# KiCad board aetimemaster.kicad_pcb
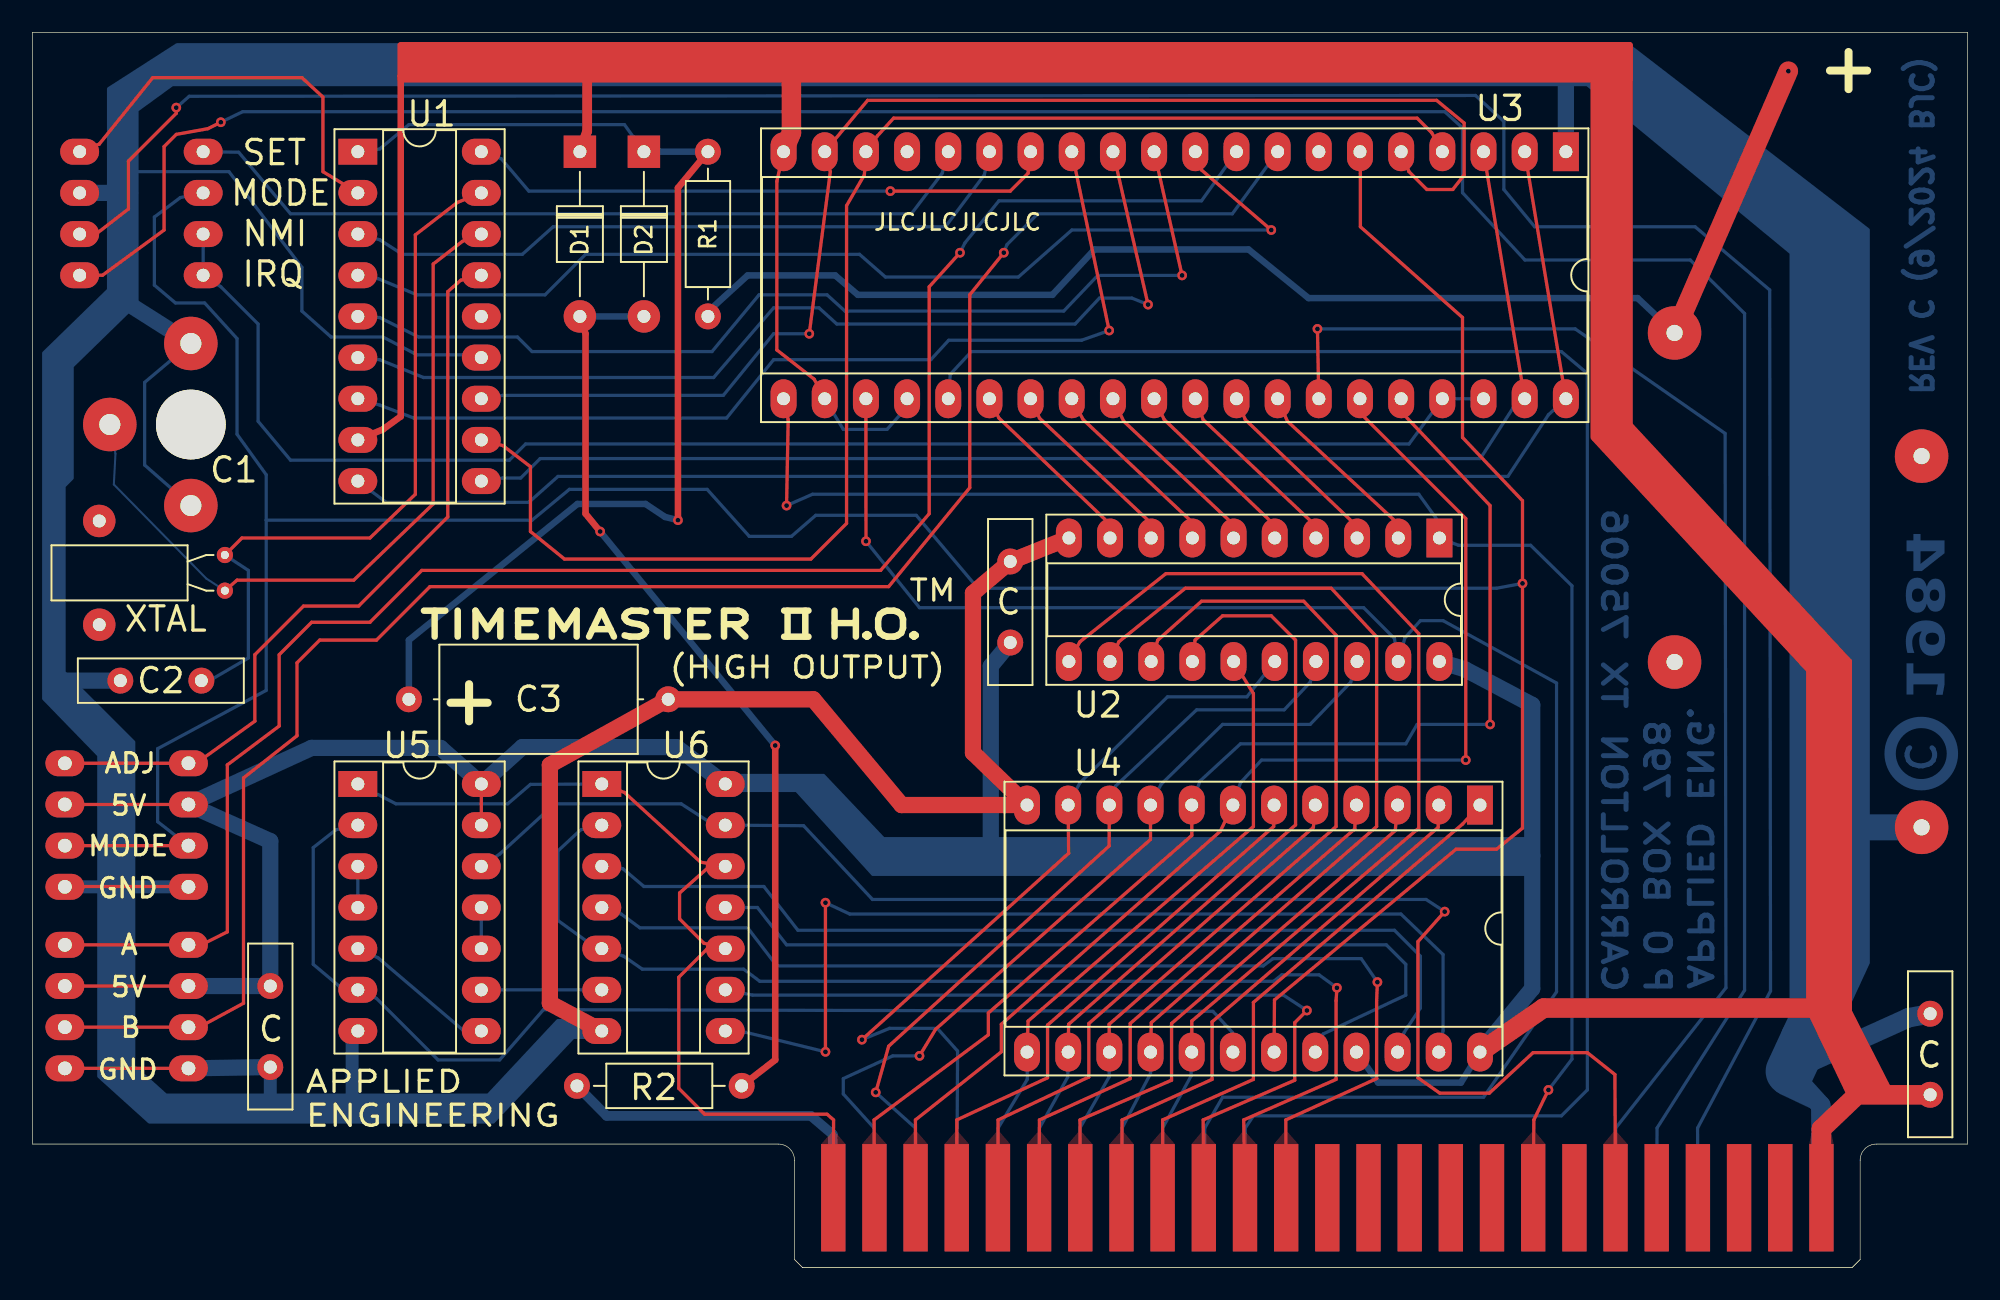
[diagram p0: board, top side]
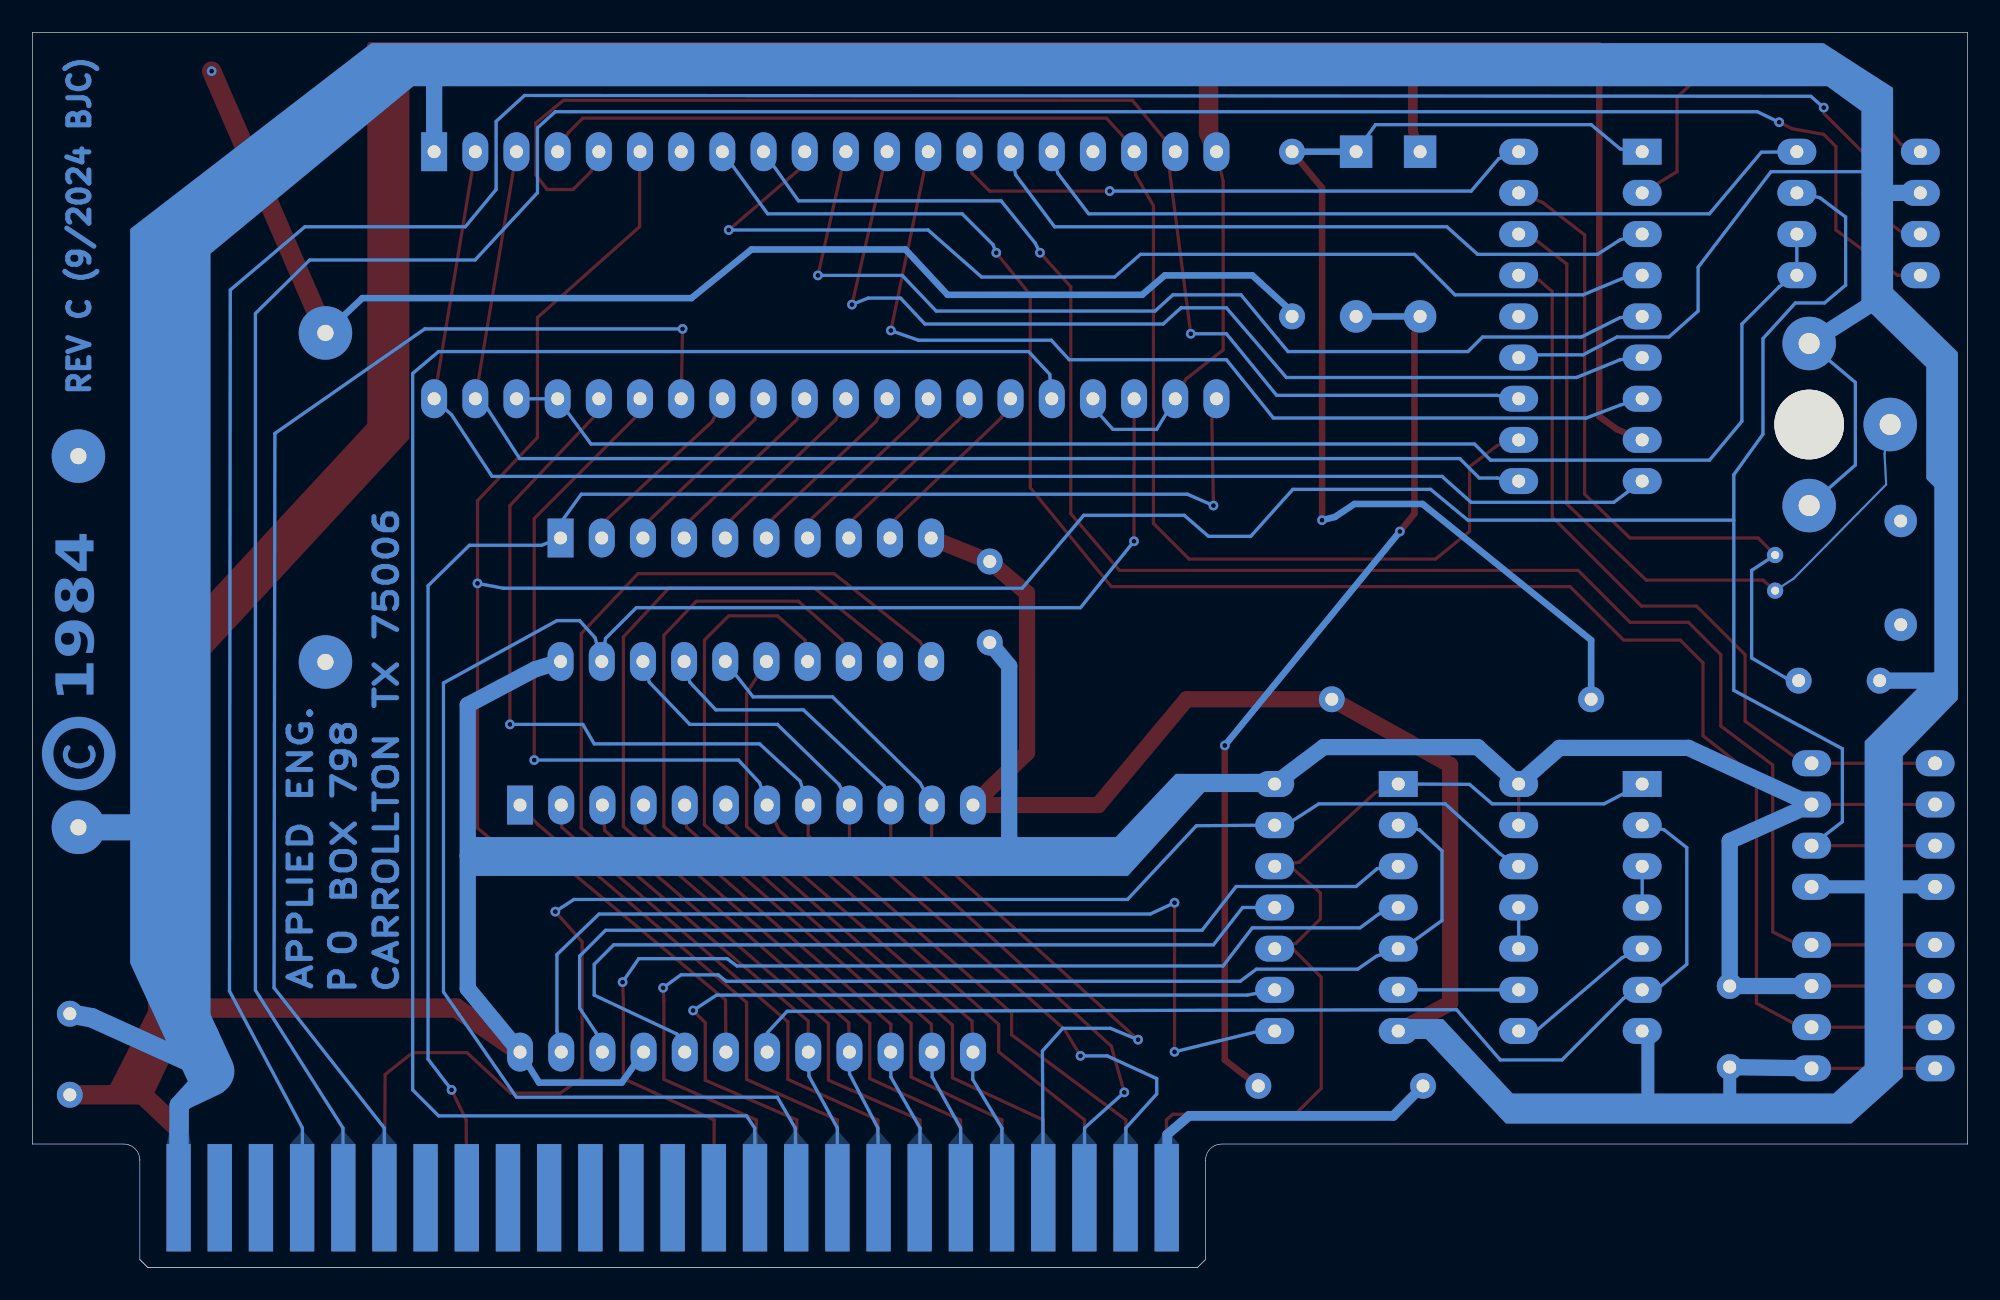
[diagram p1: board, bottom side, seen from below]

Outline 119.38 x 76.2 mm; copper layers: Front, In1.Cu, In2.Cu, Back. Coordinates in mm from the lower left corner of the outline.
Outline path: 47.01,0.5 47.01,6.62 arc(46.72,7.33) 46.01,7.62 0,7.62 0,76.2 119.38,76.2 119.38,7.62 113.75,7.62 arc(113.05,7.33) 112.75,6.62 112.75,0.5
Stack: Front 0.035mm / dielectric 0.4801mm FR4 er 4.5 / In1.Cu 0.035mm / dielectric 0.4801mm FR4 er 4.5 / In2.Cu 0.035mm / dielectric 0.4801mm FR4 er 4.5 / Back 0.035mm

## Placement (name value [footprint] x y rotation side)
C  0.22uF  [C_Disc_D10.0mm_W2.5mm_P5.00mm]  117.07 10.66 90 top
C1  C_Variable  [Trimmer Cap]  7.27 52.01 0 top
C2  10J  [C_Disc_D10.0mm_W2.5mm_P5.00mm]  10.42 36.21 180 top
C3  10uF 18V  [C_Axial]  23.72 35.06 0 top
C#2  0.22uF  [C_Disc_D10.0mm_W2.5mm_P5.00mm]  60.32 43.56 270 top
C#3  0.22uF  [C_Disc_D10.0mm_W2.5mm_P5.00mm]  14.67 17.37 270 top
D1  1N4148  [Diode]  33.77 68.84 270 top
D2  1N4148  [Diode]  37.72 68.84 270 top
J1  Conn_01x08  [HDR-4_Pin]  5.92 21.71 0 top
R1  220 Ohm  [R_Axial]  41.67 68.84 270 top
R2  750 Ohm  [R_Axial]  33.59 11.21 0 top
SW1  SW_DIP_x04  [DIP-4_Switch]  10.53 68.84 0 top
U1  MSM5832  [DIP-18_W7.62mm_Socket_LongPads]  20.07 68.84 0 top
U2  74LS245  [DIP-20_W7.62mm_Socket_LongPads]  86.8 45.01 270 top
U3  HD6821  [DIP-40_W15.24mm_Socket_LongPads]  94.6 68.84 270 top
U4  HM6116P  [DIP-24_W15.24mm_Socket_LongPads]  89.3 28.53 270 top
U5  74LS00  [DIP-14_W7.62mm_Socket_LongPads]  20.07 29.84 0 top
U6  74LS08  [DIP-14_W7.62mm_Socket_LongPads]  35.12 29.84 0 top
U7  Edge Connector  [EDGE_50]  79.88 4.31 0 top
U8  Battery  [Varta Battery]  107.58 43.92 0 top
XTAL  -  [Crystal]  11.87 43.81 270 top

## Library data of the parts
C C#2 C#3 = -: Description: Unpolarized capacitor, small symbol; MfrPartNo: C323C224J2R5TA; ki_fp_filters: C_*
C1 = -: Description: Variable capacitor; MfrPartNo: BFC280831409
C2 = -: Description: Unpolarized capacitor, small symbol; MfrPartNo: C317C100J5G5TA; ki_fp_filters: C_*
C3 = -: Description: Polarized capacitor, small symbol; MfrPartNo: 106TTA100M; ki_fp_filters: CP_*
D1 D2 = -: Datasheet: https://assets.nexperia.com/documents/data-sheet/1N4148_1N4448.pdf; Description: 100V 0.15A standard switching diode, DO-35; Sim.Device: D; Sim.Pins: 1=K 2=A; MfrPartNo: 1N4148-T50A; ki_fp_filters: D*DO?35*
J1 = -: Description: Generic connector, single row, 01x08, script generated (kicad-library-utils/schlib/autogen/connector/); MfrPartNo: PH1RA-04-UA (2x); ki_fp_filters: Connector*:*_1x??_*
R1 = -: Description: Resistor, small US symbol; MfrPartNo: FMP100JR-52-220R; ki_fp_filters: R_*
R2 = -: Description: Resistor, small US symbol; MfrPartNo: FMP100JR-52-750R; ki_fp_filters: R_*
SW1 = -: Description: 4x DIP Switch, Single Pole Single Throw (SPST) switch, small symbol; MfrPartNo: 76SB04T; ki_fp_filters: SW?DIP?x4*
U1 = -: MfrPartNo: DILB18P-223TLF
U2 = -: Datasheet: http://www.ti.com/lit/gpn/sn74LS245; Description: Octal BUS Transceivers, 3-State outputs; MfrPartNo: DILB20P-223TLF; ki_fp_filters: DIP?20*
U3 = -: MfrPartNo: DILB40P-223TLF
U4 = -: MfrPartNo: DILB24P-223TLF
U5 = -: Datasheet: http://www.ti.com/lit/gpn/sn74ls00; Description: quad 2-input NAND gate; MfrPartNo: DILB14P-223TLF; ki_fp_filters: DIP*W7.62mm* SO14*
U6 = -: Datasheet: http://www.ti.com/lit/gpn/sn74LS08; Description: Quad And2; MfrPartNo: DILB14P-223TLF; ki_fp_filters: DIP*W7.62mm*
U8 = -: MfrPartNo: 55615-703-012
XTAL = -: Description: Two pin crystal; MfrPartNo: 32.768K12.5P2/DT38; ki_fp_filters: Crystal*

## Footprints (pads in the part's own frame, mm; a bottom-side part is the same pattern mirrored in y, then rotated)
C_Axial
  round 1.6 hole 0.8: 1(-0.5,0)
  oval 1.6x1.6 hole 0.8: 2(15.5,0)
C_Disc_D10.0mm_W2.5mm_P5.00mm
  round 1.6 hole 0.8: 1(0,0) 2(5,0)
Crystal
  round 2 hole 0.8: (-2.25,-7.75) (4.15,-7.75)
  round 1 hole 0.5: 1(-0.15,0) 2(2.05,0)
Diode
  rect 2x2 hole 0.8: 1(0,0)
  oval 2x2 hole 0.8: 2(10.16,0)
DIP-4_Switch
  oval 2.4x1.6 hole 0.8: 1(0,0) 2(0,-2.54) 3(0,-5.08) 4(0,-7.62) 5(-7.62,-7.62) 6(-7.62,-5.08) 7(-7.62,-2.54) 8(-7.62,0)
DIP-14_W7.62mm_Socket_LongPads
  rect 2.4x1.6 hole 0.8: 1(0,0)
  oval 2.4x1.6 hole 0.8: 2(0,-2.54) 3(0,-5.08) 4(0,-7.62) 5(0,-10.16) 6(0,-12.7) 7(0,-15.24) 8(7.62,-15.24) 9(7.62,-12.7) 10(7.62,-10.16) 11(7.62,-7.62) 12(7.62,-5.08) 13(7.62,-2.54) 14(7.62,0)
DIP-18_W7.62mm_Socket_LongPads
  rect 2.4x1.6 hole 0.8: 1(0,0)
  oval 2.4x1.6 hole 0.8: 2(0,-2.54) 3(0,-5.08) 4(0,-7.62) 5(0,-10.16) 6(0,-12.7) 7(0,-15.24) 8(0,-17.78) 9(0,-20.32) 10(7.62,-20.32) 11(7.62,-17.78) 12(7.62,-15.24) 13(7.62,-12.7) 14(7.62,-10.16) 15(7.62,-7.62) 16(7.62,-5.08) 17(7.62,-2.54) 18(7.62,0)
DIP-20_W7.62mm_Socket_LongPads
  rect 2.4x1.6 hole 0.8: 1(0,0)
  oval 2.4x1.6 hole 0.8: 2(0,-2.54) 3(0,-5.08) 4(0,-7.62) 5(0,-10.16) 6(0,-12.7) 7(0,-15.24) 8(0,-17.78) 9(0,-20.32) 10(0,-22.86) 11(7.62,-22.86) 12(7.62,-20.32) 13(7.62,-17.78) 14(7.62,-15.24) 15(7.62,-12.7) 16(7.62,-10.16) 17(7.62,-7.62) 18(7.62,-5.08) 19(7.62,-2.54) 20(7.62,0)
DIP-24_W15.24mm_Socket_LongPads
  rect 2.4x1.6 hole 0.8: 1(0,0)
  oval 2.4x1.6 hole 0.8: 2(0,-2.54) 3(0,-5.08) 4(0,-7.62) 5(0,-10.16) 6(0,-12.7) 7(0,-15.24) 8(0,-17.78) 9(0,-20.32) 10(0,-22.86) 11(0,-25.4) 12(0,-27.94) 13(15.24,-27.94) 14(15.24,-25.4) 15(15.24,-22.86) 16(15.24,-20.32) 17(15.24,-17.78) 18(15.24,-15.24) 19(15.24,-12.7) 20(15.24,-10.16) 21(15.24,-7.62) 22(15.24,-5.08) 23(15.24,-2.54) 24(15.24,0)
DIP-40_W15.24mm_Socket_LongPads
  rect 2.4x1.6 hole 0.8: 1(0,0)
  oval 2.4x1.6 hole 0.8: 2(0,-2.54) 3(0,-5.08) 4(0,-7.62) 5(0,-10.16) 6(0,-12.7) 7(0,-15.24) 8(0,-17.78) 9(0,-20.32) 10(0,-22.86) 11(0,-25.4) 12(0,-27.94) 13(0,-30.48) 14(0,-33.02) 15(0,-35.56) 16(0,-38.1) 17(0,-40.64) 18(0,-43.18) 19(0,-45.72) 20(0,-48.26) 21(15.24,-48.26) 22(15.24,-45.72) 23(15.24,-43.18) 24(15.24,-40.64) 25(15.24,-38.1) 26(15.24,-35.56) 27(15.24,-33.02) 28(15.24,-30.48) 29(15.24,-27.94) 30(15.24,-25.4) 31(15.24,-22.86) 32(15.24,-20.32) 33(15.24,-17.78) 34(15.24,-15.24) 35(15.24,-12.7) 36(15.24,-10.16) 37(15.24,-7.62) 38(15.24,-5.08) 39(15.24,-2.54) 40(15.24,0)
EDGE_50
  rect 1.5x6.62 smd: 1(-30.48,0) 2(-27.94,0) 3(-25.4,0) 4(-22.86,0) 5(-20.32,0) 6(-17.78,0) 7(-15.24,0) 8(-12.7,0) 9(-10.16,0) 10(-7.62,0) 11(-5.08,0) 12(-2.54,0) 13(0,0) 14(2.54,0) 15(5.08,0) 16(7.62,0) 17(10.16,0) 18(12.7,0) 19(15.24,0) 20(17.78,0) 21(20.32,0) 22(22.86,0) 23(25.4,0) 24(27.94,0) 25(30.48,0)
  rect 1.5x6.62 smd far side: 26(30.48,0) 27(27.94,0) 28(25.4,0) 29(22.86,0) 30(20.32,0) 31(17.78,0) 32(15.24,0) 33(12.7,0) 34(10.16,0) 35(7.62,0) 36(5.08,0) 37(2.54,0) 38(0,0) 39(-2.54,0) 40(-5.08,0) 41(-7.62,0) 42(-10.16,0) 43(-12.7,0) 44(-15.24,0) 45(-17.78,0) 46(-20.32,0) 47(-22.86,0) 48(-25.4,0) 49(-27.94,0) 50(-30.48,0)
HDR-4_Pin
  oval 2.4x1.6 hole 0.85: 1(-3.92,9.4) 1(3.7,9.4) 2(-3.92,6.86) 2(3.7,6.86) 3(-3.92,4.32) 3(3.7,4.32) 4(-3.92,1.78) 4(3.7,1.78) 5(-3.92,-1.8) 5(3.7,-1.8) 6(-3.92,-4.34) 6(3.7,-4.34) 7(-3.92,-6.88) 7(3.7,-6.88) 8(-3.92,-9.42) 8(3.7,-9.42)
R_Axial
  round 1.6 hole 0.8: 1(0,0)
  oval 1.6x1.6 hole 0.8: 2(10.16,0)
Trimmer Cap
  round 4.3 hole 4.3 unplated: (2.5,0)
  round 3.3 hole 1.3: 1(2.5,5) 1(2.5,-5) 2(-2.5,0)
Varta Battery
  round 3.3 hole 1: 1(8.96,-16.76) 2(-6.28,13.74) 3(8.96,6.14) 4(-6.28,-6.56)

## Nets
+5V: C.1 C#2.2 C#3.1 D1.1 J1.2 J1.6 U1.8 U2.20 U3.20 U3.22 U3.24 U4.21 U4.24 U5.13 U5.14 U6.14 U7.25
GND: C.2 C1.1 C2.2 C3.2 C#2.1 C#3.2 J1.4 J1.8 SW1.7 U1.13 U2.10 U3.1 U4.12 U5.7 U6.7 U7.26 U8.1
/NMI: SW1.3 SW1.4 U3.37 U3.38
Net-(D1-A): D1.2 D2.2 R2.2
Net-(D2-K): C3.1 D2.1 R1.1 U1.1
Net-(J1-Pin_1): J1.1 U1.15
Net-(J1-Pin_3): J1.3 SW1.2 U3.6 U4.19
Net-(J1-Pin_5): J1.5 U3.9
Net-(J1-Pin_7): J1.7 U3.8
Net-(U1-A0): U1.4 U3.10
Net-(U1-A1): U1.5 U3.11
Net-(U1-A2): U1.6 U3.12
Net-(U1-A3): U1.7 U3.13
Net-(U1-D0): U1.9 U3.2 U3.40
Net-(U1-D1): U1.10 U3.3 U3.39
Net-(U1-D2): U1.11 U3.4 U3.18
Net-(U1-D3): U1.12 U3.5 U3.19
Net-(U1-HOLD): U1.18 U3.14
Net-(U1-READ): U1.3 U3.15
Net-(U1-WRITE): SW1.8 U1.2
Net-(U1-XT): C1.2 U1.16 XTAL.2
Net-(U1-~{XT}): C2.1 U1.17 XTAL.1
Net-(U2-A0): U2.2 U3.33
Net-(U2-A1): U2.3 U3.32
Net-(U2-A2): U2.4 U3.31
Net-(U2-A3): U2.5 U3.30
Net-(U2-A4): U2.6 U3.29
Net-(U2-A5): U2.7 U3.28
Net-(U2-A6): U2.8 U3.27
Net-(U2-A7): U2.9 U3.26
Net-(U2-A->B): U2.1 U3.21 U7.18
Net-(U2-B0): U2.18 U4.9 U7.49
Net-(U2-B1): U2.17 U4.10 U7.48
Net-(U2-B2): U2.16 U4.11 U7.47
Net-(U2-B3): U2.15 U4.13 U7.46
Net-(U2-B4): U2.14 U4.14 U7.45
Net-(U2-B5): U2.13 U4.15 U7.44
Net-(U2-B6): U2.12 U4.16 U7.43
Net-(U2-B7): U2.11 U4.17 U7.42
Net-(U2-CE): U2.19 U3.23 U7.41
Net-(U3-E): U3.25 U7.40
Net-(U3-PB6): SW1.1 U3.16
Net-(U3-RS0): U3.36 U4.8 U7.2
Net-(U3-RS1): U3.35 U4.7 U7.3
Net-(U3-~{RES}): U3.34 U7.31
Net-(U4-A2): U4.6 U7.4
Net-(U4-A3): U4.5 U7.5
Net-(U4-A4): U4.4 U7.6
Net-(U4-A5): U4.3 U7.7
Net-(U4-A6): U4.2 U7.8
Net-(U4-A7): U4.1 U7.9
Net-(U4-A8): U4.23 U6.8
Net-(U4-A9): U4.22 U6.3
Net-(U4-CS): U4.18 U5.2 U5.6
Net-(U4-OE): U4.20 U6.11
Net-(U5-Pad3): U5.3 U5.4
Net-(U5-Pad5): U5.5 U5.8
Net-(U5-Pad9): U5.9 U6.6
Net-(U5-Pad10): U5.10 U5.11
Net-(U7-+12V): R2.1 U7.50
Net-(U7-A8): U6.9 U7.10
Net-(U7-A9): U6.2 U6.5 U7.11
Net-(U7-A10): U6.4 U7.12
Net-(U7-~{I/O_SELECT}): U5.1 U6.1 U6.10 U6.12 U7.1
Net-(U7-~{I/O_STROBE}): U5.12 U6.13 U7.20
Net-(U7-~{IRQ}): SW1.5 U7.30
Net-(U7-~{NMI}): SW1.6 U7.29
Net-(U8-+3.6V): R1.2 U8.2

Pads without a net: U1 14; U3 7 17; U7 13 14 15 16 17 19 21 22 23 24 27 28 32 33 34 35 36 37 38 39; U8 3 4

## Via types
v1: diameter 0.6, hole 0.3, Front to Back, 30 vias

## Routing (per net, layer and track width the routed paths; a pad name or vN(x,y) marks a point on that pad's centre or on a via; arc(x,y) is an arc through that point)
+5V: length 413.1
  Front w0.2: 46.34,68.84 45.92,67.01 45.92,56.61 48.22,54.81 U3.22 ; J1.6 J1.6 ; J1.2 J1.2 ; U5.14 U5.13
  Front w0.4: U1.8 21.62,51.71 22.72,52.51 22.72,73.51 23.22,74.01
  Front w0.6: 34.22,74.01 34.22,70.11 D1.1
  Front w1.2: U4.24 93.22,16.01 110.02,16.01 ; 110.02,16.01 110.02,37.91 97.22,51.41 97.22,74.01 46.82,74.01 ; 110.02,16.01 112.57,10.66 ; 112.57,10.66 C.1 ; 112.57,10.66 110.36,8.55 U7.25 ; 46.82,74.01 23.22,74.01 ; 46.82,74.01 46.82,70.01 46.34,68.84
  Back w0.2: U3.22 50.02,51.71 52.72,51.71 53.52,52.61 U3.24
  Back w0.4: U4.24 88.12,11.41 83.02,11.41 U4.21
  Back w1: 92.52,25.41 92.52,17.21 U4.24 ; 92.52,25.41 59.12,25.41 ; 92.52,25.41 92.52,34.71 88.37,36.91 U2.20 ; 59.12,25.41 59.12,37.11 C#2.2 ; 59.12,25.41 52.27,25.41 48.02,29.84 U6.14 39.72,32.11 30.22,32.11 U5.14 25.17,32.06 17.22,32.06 J1.2 14.67,26.31 14.67,17.11 ; C#3.1 J1.6
GND: length 465.3
  Front w0.2: 8.82,23.51 2.82,23.51 ; J1.8 J1.8
  Front w1: U2.10 C#2.1 58.02,41.61 58.02,31.76 U4.12 53.62,28.53 48.17,35.06 C3.2 31.92,31.01 31.92,16.31 35.12,14.59
  Back w0.127: 109.34,14.09 111.42,19.31 111.42,27.16
  Back w0.2: C1.1 6.92,54.61 6.92,49.51 C1.1 ; U1.13 26.82,56.31 23.72,56.31 21.62,57.41 18.42,57.41 16.62,59.01 16.62,61.71 12.12,67.61 6.02,67.61 6.02,66.3
  Back w0.6: 5.32,31.81 1.3,36.21 ; 5.52,59.71 1.3,55.71 1.3,48.91 1.1,48.41 1.1,36.01
  Back w0.8: C#3.2 14.67,9.81 19.72,9.81 19.72,13.91 20.07,14.59 ; J1.4 J1.4
  Back w1: C#3.2 J1.8 ; SW1.7 6.02,66.3 ; C1.1 5.52,59.71 ; U3.1 94.6,73.61 ; 5.32,31.81 5.32,12.21 7.62,9.91 28.32,9.91 32.82,14.61 35.12,14.59 ; C2.2 1.3,36.21
  Back w1.2: U7.26 110.32,10.01 108.42,12.11 115.72,15.41 C.2
  Back w1.6: 10.12,74.21 8.42,74.11 5.52,72.11 5.52,59.71 ; U8.1 111.42,27.16
  Back w2: 10.12,74.21 96.62,74.21 97.72,73.61
  Back w3: 108.42,12.11 110.92,17.51 110.92,62.81 97.72,73.61
/NMI: length 91.6
  Back w0.2: SW1.3 SW1.4 11.62,60.51 13.92,58.21 13.92,52.21 15.92,49.81 29.42,49.81 30.42,50.81 84.92,50.81 U3.37 U3.38
Net-(D1-A): length 56.7
  Front w0.4: v1(35.02,45.41) 34.12,46.51 34.12,57.61 D1.2 ; v1(45.82,32.21) 45.82,12.81 R2.2
  Back w0.4: v1(35.02,45.41) v1(45.82,32.21) ; D1.2 D2.2
Net-(D2-K): length 69.9
  Front w0.4: v1(39.82,46.11) 39.82,66.61 R1.1
  Back w0.2: U1.1 21.42,69.01 23.22,70.51 36.52,70.51 D2.1
  Back w0.4: v1(39.82,46.11) 39.02,46.31 37.82,47.11 33.62,47.11 23.22,38.71 C3.1 ; R1.1 D2.1
Net-(J1-Pin_1): length 48.3
  Front w0.2: U1.15 26.42,60.91 25.62,60.21 25.62,46.31 20.12,40.81 16.72,40.81 13.72,37.81 13.72,33.71 10.52,31.41 J1.1 J1.1
Net-(J1-Pin_3): length 209
  Front w0.2: J1.3 J1.3 ; U4.19 76.62,16.51 87.82,25.81 90.32,25.81 91.92,27.11 v1(91.92,42.21) 91.92,47.31 88.22,51.21 88.22,58.61 81.92,64.21 81.92,67.51 U3.6
  Back w0.2: SW1.2 9.12,66.01 7.52,64.81 7.52,60.61 8.82,59.51 10.62,59.51 12.62,57.31 12.62,51.41 14.42,48.91 14.42,46.11 ; J1.3 7.72,27.51 7.72,32.01 14.42,35.61 14.42,46.11 ; 14.42,46.11 30.82,46.11 33.12,48.01 41.62,48.01 44.22,45.11 46.82,45.11 48.32,46.41 54.52,46.41 58.32,41.91 90.32,41.91 v1(91.92,42.21)
Net-(J1-Pin_5): length 109.8
  Front w0.2: J1.5 J1.5 10.42,19.91 12.02,20.71 12.02,31.01 15.22,33.41 15.22,37.81 17.22,39.81 20.82,39.81 24.02,43.01 52.32,43.01 55.32,46.51 55.32,60.51 v1(57.22,62.61)
  Back w0.2: v1(57.22,62.61) 57.52,63.21 59.62,65.81 72.12,65.81 U3.9
Net-(J1-Pin_7): length 115.5
  Front w0.2: v1(59.92,62.61) 57.82,60.01 57.82,48.11 52.82,42.01 24.52,42.01 21.22,38.71 17.72,38.71 16.32,37.31 16.32,32.81 13.02,30.21 13.02,16.31 10.62,15.01 J1.7 J1.7
  Back w0.2: v1(59.92,62.61) 60.12,63.11 62.02,65.01 74.02,65.01 U3.8
Net-(U1-A0): length 66.1
  Front w0.2: v1(76.42,64.01) 72.12,67.71 U3.10
  Back w0.2: v1(76.42,64.01) 64.12,64.01 60.82,61.11 52.62,61.11 51.02,62.51 34.12,62.51 31.62,60.01 23.72,60.01 21.32,61.01 U1.4
Net-(U1-A1): length 62.3
  Front w0.2: U3.11 v1(70.92,61.21)
  Back w0.2: U1.5 21.42,58.61 23.82,57.41 29.92,57.41 30.82,56.51 41.92,56.51 44.82,60.01 49.02,60.01 50.12,59.01 63.62,59.01 65.72,61.21 v1(70.92,61.21)
Net-(U1-A2): length 61.8
  Front w0.2: U3.12 v1(68.82,59.41)
  Back w0.2: v1(68.82,59.41) 67.82,59.81 65.82,59.81 64.32,58.21 49.62,58.21 48.52,59.21 45.72,59.21 42.02,54.91 24.12,54.91 21.42,56.01 U1.6
Net-(U1-A3): length 60.2
  Front w0.2: U3.13 v1(66.42,57.81)
  Back w0.2: U1.7 21.42,53.21 23.52,52.41 42.82,52.41 45.72,56.01 55.42,56.01 56.52,57.21 64.72,57.21 v1(66.42,57.81)
Net-(U1-D0): length 93.5
  Front w0.2: U3.2 U3.40
  Back w0.2: U1.9 21.82,47.21 30.62,47.21 32.42,48.81 91.02,48.81 93.52,52.61 U3.40
Net-(U1-D1): length 82.2
  Front w0.2: U3.3 U3.39
  Back w0.2: U1.10 29.02,48.71 30.12,48.71 31.32,49.91 89.32,49.91 91.32,53.01 U3.39
Net-(U1-D2): length 89.4
  Front w0.2: U3.4 86.32,70.01 85.42,70.91 53.12,70.91 52.12,69.81 U3.18 51.32,67.41 50.22,65.51 50.22,45.91 48.02,43.71 32.82,43.71 30.72,45.41 30.72,49.41 29.02,50.71 U1.11
Net-(U1-D3): length 83.7
  Front w0.2: v1(47.92,57.61) 49.22,67.61 U3.19 51.52,72.01 86.62,72.01 88.32,70.61 88.32,67.41 87.62,66.51 86.02,66.51 84.92,67.61 U3.5
  Back w0.2: v1(47.92,57.61) 45.72,57.61 42.62,53.81 29.02,53.81 U1.12
Net-(U1-HOLD): length 36.5
  Front w0.2: v1(52.92,66.41) 60.32,66.41 61.42,67.51 U3.14
  Back w0.2: U1.18 28.92,68.41 30.62,66.41 v1(52.92,66.41)
Net-(U1-READ): length 42.7
  Back w0.2: U3.15 58.72,67.41 56.32,64.21 32.12,64.21 30.22,62.51 22.82,62.51 21.42,63.41 U1.3
Net-(U1-WRITE): length 24.6
  Front w0.2: U1.2 17.92,67.61 17.92,72.21 16.62,73.41 7.42,73.41 4.12,69.31 SW1.8
Net-(U1-XT): length 46.6
  Front w0.2: U1.16 26.52,63.31 24.72,61.91 24.72,47.11 19.82,42.41 12.62,42.41 XTAL.2
  Back w0.127: C1.2 5.12,50.21 5.02,48.31 10.72,42.51 XTAL.2
Net-(U1-~{XT}): length 44.6
  Front w0.2: U1.17 26.21,65.71 23.62,63.71 23.62,47.71 20.82,45.01 12.92,45.01 XTAL.1
  Back w0.2: XTAL.1 13.32,43.01 13.32,37.61 10.92,36.21 C2.1
Net-(U2-A0): length 11.7
  Front w0.2: U3.33 77.42,52.21 84.22,45.91 U2.2
Net-(U2-A1): length 11.6
  Front w0.2: U3.32 74.82,52.31 81.52,45.91 81.72,45.01
Net-(U2-A2): length 11.7
  Front w0.2: U3.31 72.22,52.31 79.22,45.71 U2.4
Net-(U2-A3): length 11.6
  Front w0.2: U3.30 69.82,52.31 76.62,45.81 U2.5
Net-(U2-A4): length 11.7
  Front w0.2: U3.29 67.32,52.21 74.12,45.81 U2.6
Net-(U2-A5): length 11.7
  Front w0.2: U3.28 64.82,52.31 71.62,45.91 71.56,45.01
Net-(U2-A6): length 11.7
  Front w0.2: U2.8 69.02,45.91 62.12,52.41 U3.27
Net-(U2-A7): length 11.6
  Front w0.2: U3.26 59.62,52.41 66.42,45.91 U2.9
Net-(U2-A->B): length 96.6
  Front w0.2: 46.34,53.6 46.62,52.31 v1(46.52,47.01) ; U7.18 92.62,9.11 v1(93.52,10.96)
  Back w0.2: v1(93.52,10.96) 94.97,12.86 94.97,42.06 92.42,44.56 87.97,44.56 U2.1 86.82,45.91 85.52,47.71 48.12,47.71 v1(46.52,47.01)
Net-(U2-B0): length 51.9
  Front w0.2: U4.9 68.97,26.41 55.72,14.71 v1(54.72,13.06)
  Back w0.2: U7.49 51.92,8.61 50.02,10.71 50.02,11.66 53.07,13.06 v1(54.72,13.06) ; U4.9 69.62,29.81 73.42,33.51 78.82,33.51 81.32,36.11 81.72,37.39
Net-(U2-B1): length 48.6
  Front w0.2: v1(52.02,10.81) 52.82,13.66 66.42,26.01 U4.10
  Back w0.2: U4.10 66.82,29.71 71.82,34.41 77.22,34.41 78.82,36.11 U2.17 ; U7.48 54.47,8.61 v1(52.02,10.81)
Net-(U2-B2): length 52.7
  Front w0.2: v1(51.17,14.06) 63.92,25.56 U4.11
  Back w0.2: U4.11 64.62,29.91 70.02,35.21 74.92,35.21 U2.16 ; v1(51.17,14.06) 52.87,14.76 55.82,14.76 57.07,13.36 U7.47
Net-(U2-B3): length 40.3
  Front w0.2: U4.13 61.42,15.21 75.32,27.21 75.32,35.41 U2.15
  Back w0.2: U4.13 61.37,11.61 59.57,8.61 U7.46
Net-(U2-B4): length 49.9
  Front w0.2: U4.14 63.92,15.01 77.92,27.31 77.92,38.71 76.42,40.21 73.42,40.21 71.72,38.71 71.56,37.39
  Back w0.2: U4.14 63.87,11.76 62.12,8.61 U7.45
Net-(U2-B5): length 55.7
  Front w0.2: U4.15 66.42,15.01 80.42,27.21 80.42,39.01 78.42,41.11 72.12,41.11 69.42,38.71 U2.13
  Back w0.2: U7.44 64.62,8.61 66.42,11.76 U4.15
Net-(U2-B6): length 61.1
  Front w0.2: U4.16 69.02,15.11 82.92,27.21 82.92,38.91 80.12,41.91 71.12,41.91 67.02,38.61 U2.12
  Back w0.2: U4.16 68.97,11.96 67.22,8.61 U7.43
Net-(U2-B7): length 67.1
  Front w0.2: U4.17 71.52,15.21 85.52,27.11 85.52,39.11 82.02,42.81 69.92,42.81 64.62,38.61 U2.11
  Back w0.2: U4.17 71.47,11.81 69.72,8.61 U7.42
Net-(U2-CE): length 107.5
  Front w0.2: v1(51.42,44.81) U3.23
  Back w0.2: v1(51.42,44.81) 54.72,40.71 82.12,40.71 84.02,38.81 U2.19 84.67,38.86 85.62,39.91 87.02,39.91 94.02,36.06 94.02,17.01 89.52,10.51 73.42,10.51 72.32,8.61 U7.41
Net-(U3-E): length 112.6
  Back w0.2: U7.40 74.82,8.61 75.32,9.36 94.32,9.36 95.92,10.96 95.92,55.16 94.32,56.51 57.92,56.51 56.62,55.11 U3.25
Net-(U3-PB6): length 50
  Back w0.2: U3.16 56.12,67.51 54.22,65.01 15.92,65.01 12.72,68.81 SW1.1
Net-(U3-RS0): length 76.8
  Front w0.2: v1(89.92,33.51) 89.92,47.01 84.52,52.71 U3.36 ; U7.2 51.92,9.11 58.97,14.36 58.97,15.71 71.52,26.66 U4.8
  Back w0.2: v1(89.92,33.51) 85.42,33.51 84.72,32.31 74.52,32.31 72.02,30.01 U4.8
Net-(U3-RS1): length 74
  Front w0.2: U3.35 81.92,52.71 88.42,46.21 v1(88.42,31.31) ; 74.06,28.53 73.27,26.91 59.77,15.01 59.77,13.31 54.47,9.11 U7.3
  Back w0.2: v1(88.42,31.31) 75.82,31.31 74.52,29.91 74.06,28.53
Net-(U3-~{RES}): length 81
  Front w0.2: v1(79.27,57.91) U3.34
  Back w0.2: U7.31 97.67,8.61 104.47,17.26 104.42,51.46 95.17,57.91 v1(79.27,57.91)
Net-(U4-A2): length 34.1
  Front w0.2: U7.4 57.02,9.11 62.62,11.71 62.62,14.96 76.57,27.21 U4.6
Net-(U4-A3): length 34.1
  Front w0.2: U4.5 79.02,27.16 65.17,15.06 65.17,11.76 59.57,9.11 U7.5
Net-(U4-A4): length 34.2
  Front w0.2: U4.4 81.57,27.06 67.72,15.06 67.72,11.66 62.12,9.11 U7.6
Net-(U4-A5): length 34.3
  Front w0.2: 84.22,28.53 84.07,26.96 70.27,15.06 70.27,11.56 64.62,9.11 U7.7
Net-(U4-A6): length 34.2
  Front w0.2: U4.2 86.72,27.16 72.77,15.16 72.77,11.61 67.22,9.11 U7.8
Net-(U4-A7): length 34.2
  Front w0.2: U4.1 88.22,27.36 75.32,16.36 75.32,11.61 69.72,9.11 U7.9
Net-(U4-A8): length 60.8
  Front w0.2: v1(48.92,22.51) v1(48.92,13.31)
  Back w0.2: v1(48.92,13.31) 44.02,14.51 42.74,14.59 ; v1(48.92,22.51) 50.42,21.81 84.42,21.81 87.02,19.31 87.02,14.61 U4.23
Net-(U4-A9): length 59.2
  Back w0.2: 84.22,13.3 84.62,14.51 85.62,16.01 85.62,19.21 84.02,20.81 47.22,20.81 45.12,23.51 37.72,23.51 36.42,24.61 35.12,24.75
Net-(U4-CS): length 72.5
  Back w0.2: U5.2 18.72,27.01 17.32,25.91 17.32,18.71 19.22,17.11 U5.6 21.22,16.61 25.02,12.81 28.82,12.81 31.52,15.91 72.82,15.81 74.02,14.51 74.06,13.3
Net-(U4-OE): length 52.4
  Back w0.2: U4.20 79.62,14.41 84.72,16.81 84.72,18.71 83.52,19.91 46.52,19.91 44.72,22.22 U6.11
Net-(U5-Pad3): length 2.5
  Back w0.2: 20.07,24.75 U5.4
Net-(U5-Pad5): length 9.4
  Back w0.2: 20.07,19.67 21.32,19.11 26.72,14.51 27.69,14.59
Net-(U5-Pad9): length 7.4
  Back w0.2: U6.6 U5.9
Net-(U5-Pad10): length 2.5
  Back w0.2: U5.11 27.69,19.67
Net-(U7-+12V): length 20.9
  Back w0.6: R2.1 35.42,9.36 48.02,9.36 49.37,8.21 U7.50
Net-(U7-A8): length 51.8
  Front w0.2: v1(78.62,15.86) 77.87,15.11 77.87,11.56 72.22,9.11 U7.10
  Back w0.2: v1(78.62,15.86) 77.17,16.81 44.42,16.81 U6.9
Net-(U7-A9): length 73.8
  Front w0.2: v1(80.47,17.26) 80.42,16.46 80.42,11.61 74.72,9.11 U7.11
  Back w0.2: v1(80.47,17.26) 79.37,18.06 77.07,18.06 76.57,17.66 44.87,17.66 43.87,18.41 37.62,18.41 36.47,19.21 35.12,19.67 34.22,20.11 32.42,21.41 32.42,25.71 33.82,27.01 U6.2
Net-(U7-A10): length 67.2
  Front w0.2: U7.12 77.32,9.11 82.92,11.66 82.92,16.46 v1(82.97,17.61)
  Back w0.2: v1(82.97,17.61) 81.97,19.06 76.52,19.06 75.92,18.61 45.92,18.61 44.12,20.96 37.47,20.96 36.32,21.81 U6.4
Net-(U7-~{I/O_SELECT}): length 59.3
  Front w0.2: U7.1 49.42,9.11 49.02,9.46 41.47,9.46 39.87,11.06 39.87,17.91 41.64,19.67 42.74,19.67 41.42,20.01 39.92,21.51 39.92,23.11 41.72,24.71 42.74,24.75 41.82,24.91 41.22,25.01 36.52,29.31 U6.1
  Back w0.2: U5.1 22.42,28.61 29.32,28.61 30.72,29.81 U6.1
Net-(U7-~{I/O_STROBE}): length 95.8
  Front w0.2: v1(87.12,21.96) 85.47,20.11 85.47,11.71 86.82,10.76 89.87,10.76 92.57,13.26 95.92,13.26 97.62,11.91 U7.20
  Back w0.2: v1(87.12,21.96) 85.97,22.71 51.82,22.71 47.57,27.26 U6.13 41.72,27.51 40.02,28.61 32.22,28.61 28.82,25.51 27.69,24.75
Net-(U7-~{IRQ}): length 173
  Front w0.2: v1(11.62,70.66) 10.82,70.26 8.87,69.91 8.12,69.16 8.12,64.01 4.32,61.22 SW1.5
  Back w0.2: U7.30 100.22,8.61 105.62,17.11 105.62,58.86 102.27,62.16 92.07,62.16 88.22,66.31 88.22,70.31 87.12,71.31 12.97,71.31 v1(11.62,70.66)
Net-(U7-~{NMI}): length 174
  Front w0.2: v1(8.87,71.56) 8.87,71.21 5.92,68.26 5.92,65.31 3.92,63.76 SW1.6
  Back w0.2: U7.29 102.72,8.61 107.22,17.06 107.17,60.31 102.57,64.21 92.67,64.21 90.77,66.51 90.77,70.71 89.02,72.31 9.67,72.26 v1(8.87,71.56)
Net-(U8-+3.6V): length 81.9
  Front w1.2: U8.2 v1(108.32,73.81)
  Back w0.4: U8.2 99.02,59.81 78.72,59.81 75.02,62.81 65.52,62.81 62.92,60.01 50.92,60.01 49.52,61.21 44.12,61.21 41.82,59.11 R1.2

## Copper pours and planes (outline as drawn; the poured copper is in the pictures)
+5V on Front (solid shape): 96.32,51.11 110.12,36.21 112.12,37.41 98.22,52.41
+5V on Front (solid shape): 112.12,15.81 114.82,10.51 112.42,10.51 109.72,15.81
+5V on Back (solid shape): 46.82,29.71 51.82,24.21 92.52,24.21 92.52,26.51 52.52,26.51 48.82,30.41 43.52,30.41 43.52,29.71
GND on Back (solid shape): 109.72,9.81 107.82,10.71 107.52,10.91 109.42,12.41
GND on Back (solid shape): 110.82,13.61 113.22,18.81 113.22,64.01 98.42,75.41 8.92,75.41 4.72,72.71 4.72,60.31 0.72,56.41 0.72,35.11 4.12,31.61 4.12,11.81 7.22,9.01 28.42,9.01 33.52,14.41 34.72,15.21 32.42,15.21 28.12,10.61 8.22,10.61 6.22,12.41 6.22,32.41 1.92,36.71 1.92,48.21 2.42,48.71 2.42,55.61 6.42,59.51 6.42,71.41 8.62,73.01 95.92,73.01 108.52,62.61 108.52,13.91 110.92,13.61

Small or netless copper shapes (teardrops, artwork), in the pictures only: 15 on Front, 15 on Back

## Text on the board
Back: REV C (9/2024 BJC) | P | O | TX 75006 | CARROLLTON | BOX 798 | APPLIED ENG. | C | 1984
F.Silkscreen: JLCJLCJLCJLC | TM | (HIGH OUTPUT) | APPLIED / ENGINEERING | TIMEMASTER | II | H | . | O | +
